# KiCad board Z3660_v021b.kicad_pcb
title: Z3660 by sHaNsHe (Double H Tech); date: 2024-02-09; rev: v0.21b; note: v0.21a Changed Array Networks; note: v0.21b Changed the 060 socket
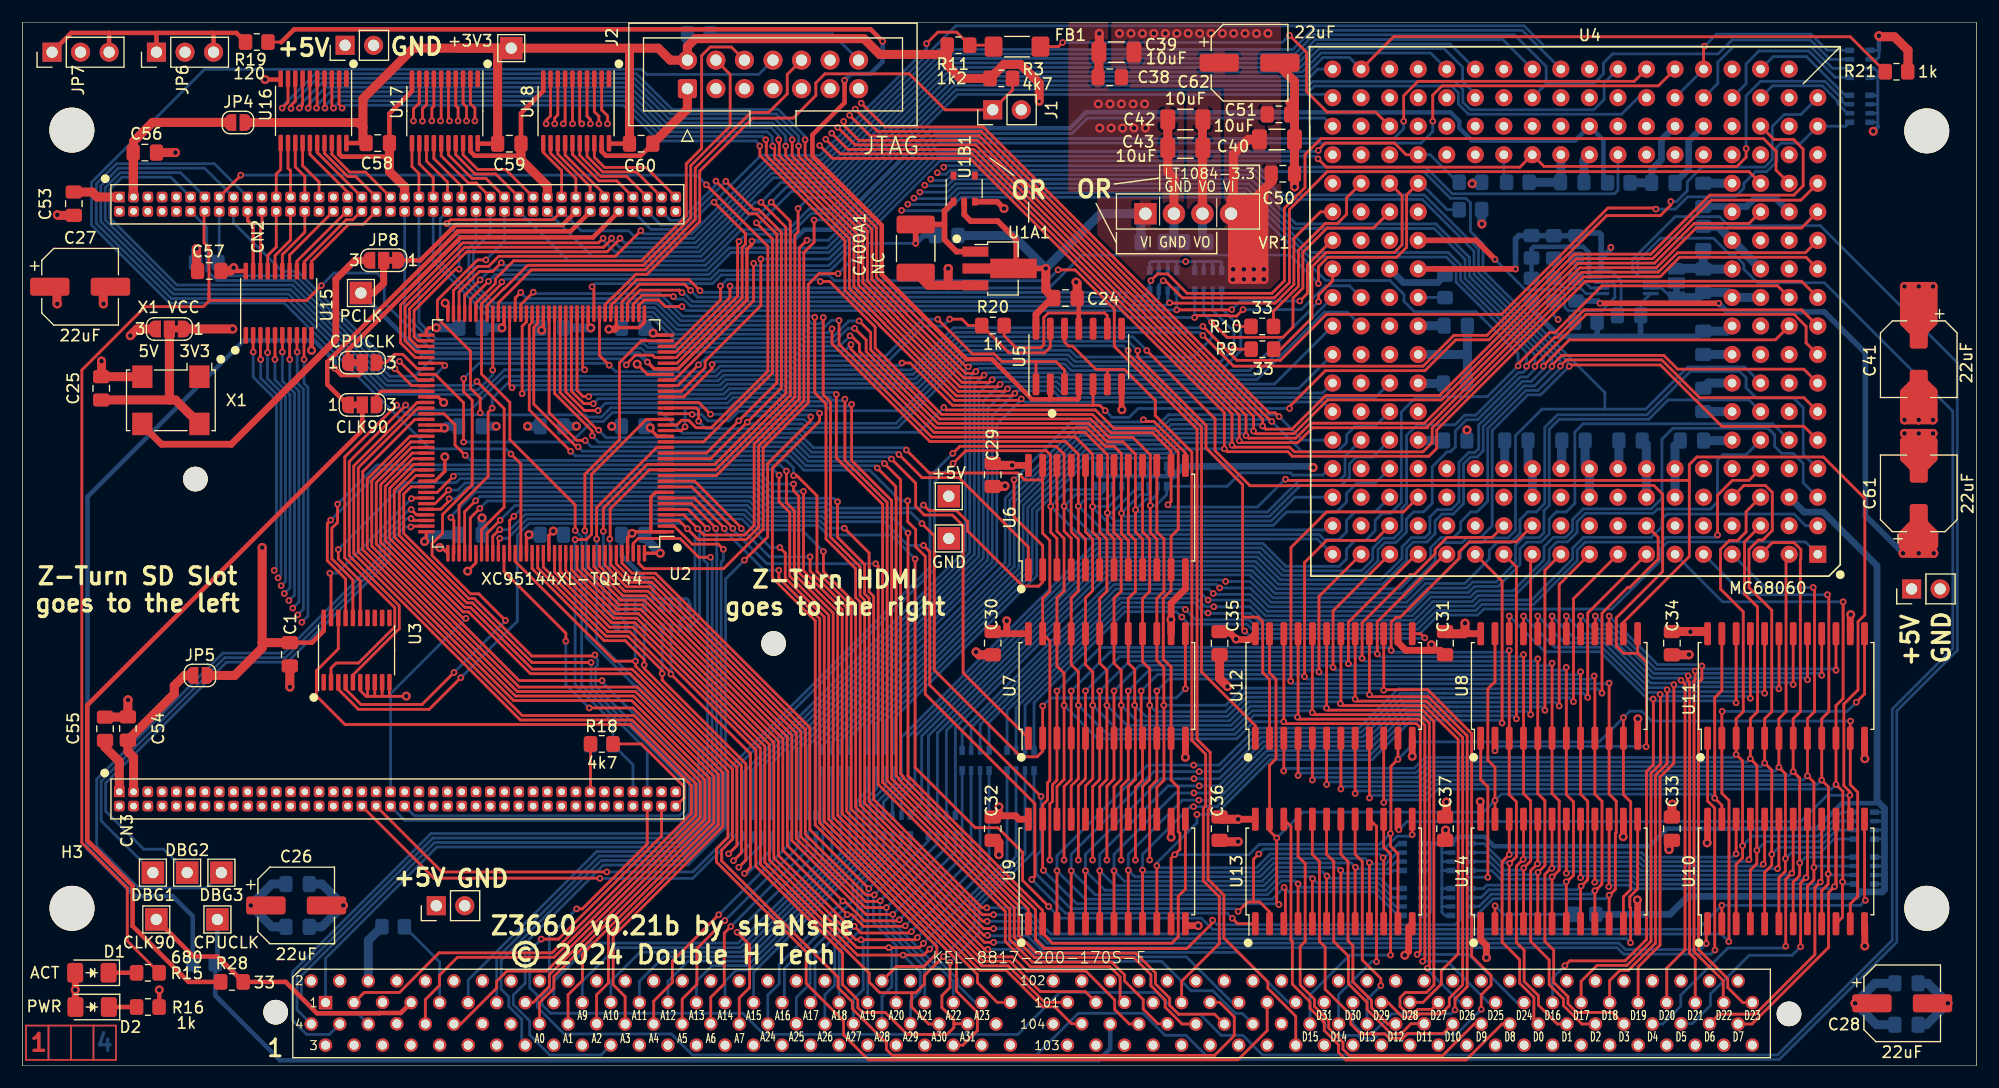
[diagram p0: board, top side]
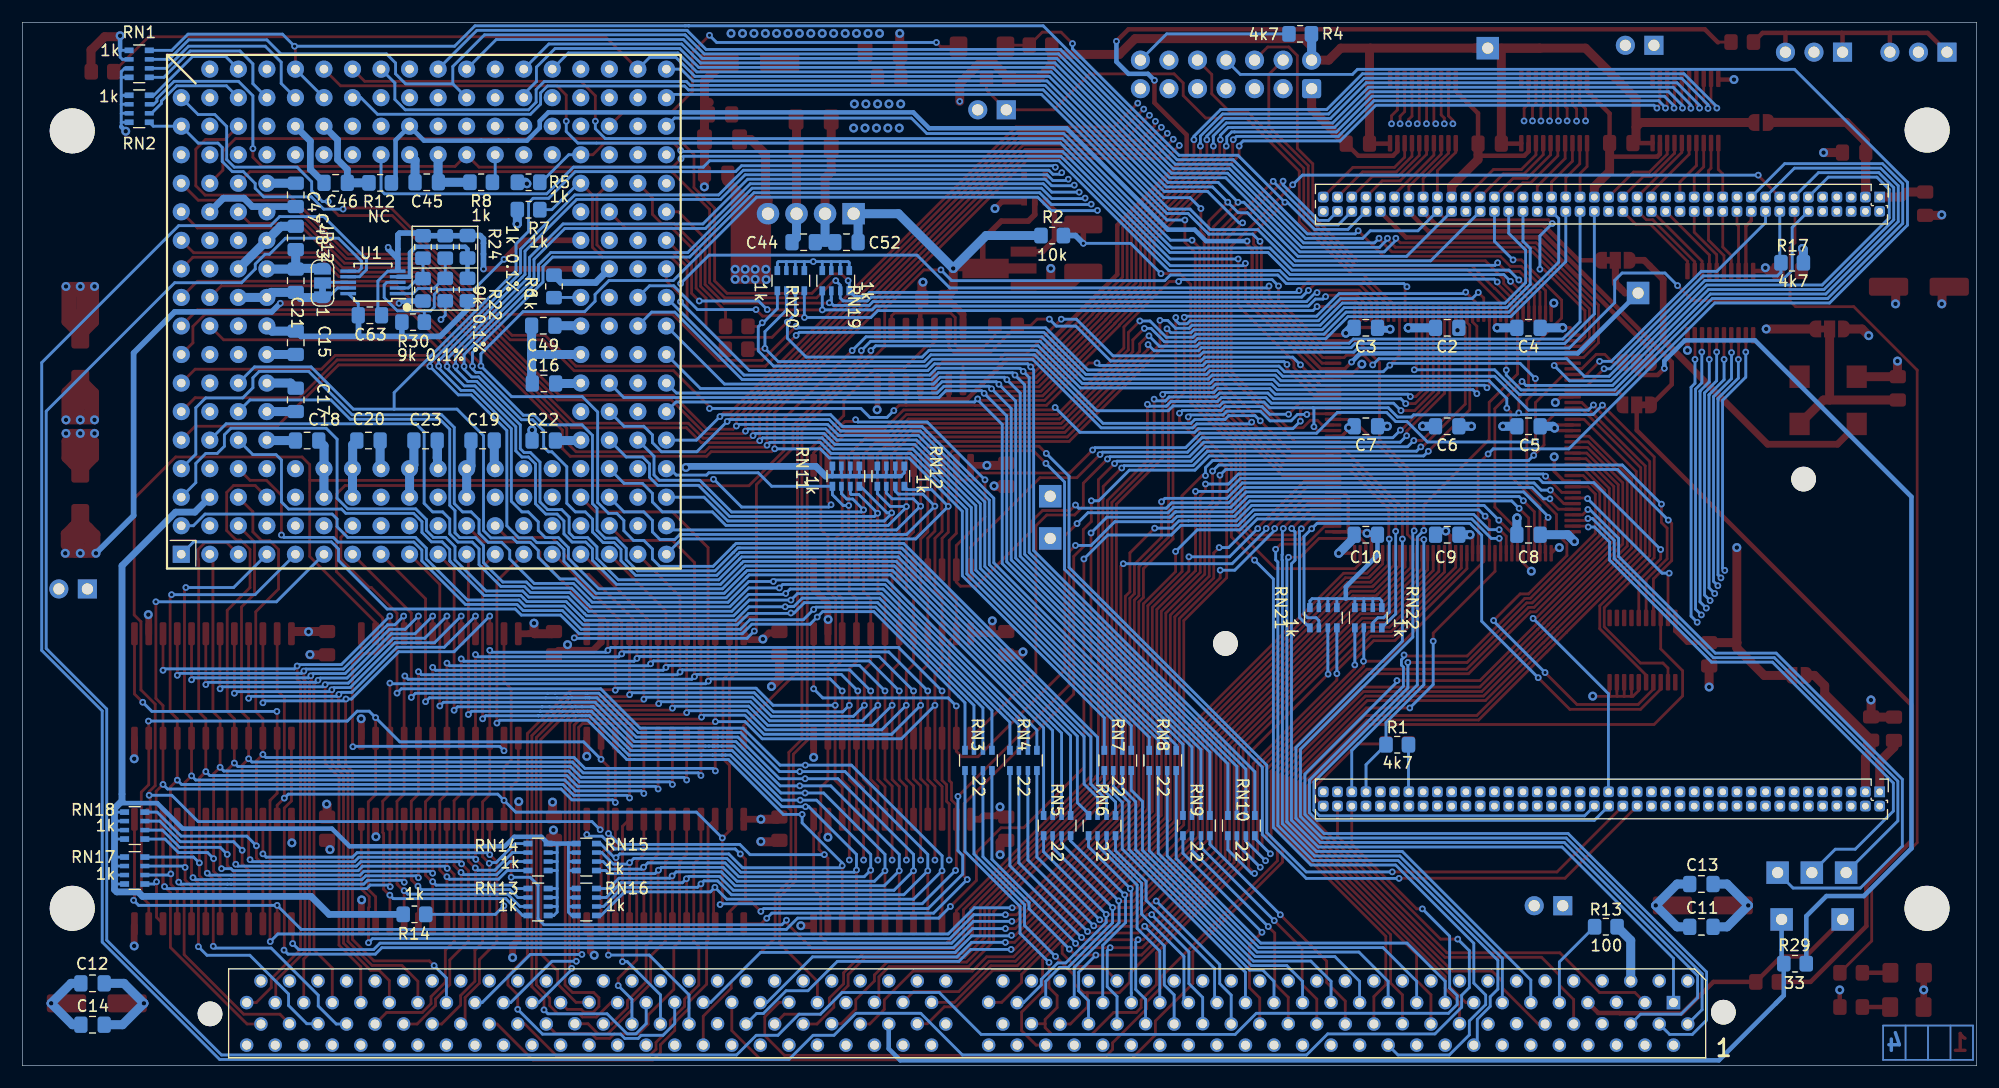
[diagram p1: board, bottom side, seen from below]

Outline 173.93 x 92.84 mm; copper layers: Top, In1.Cu, In2.Cu, Bottom. Coordinates in mm from the lower left corner of the outline.
Outline path: 0,92.84 173.93,92.84 173.93,0 0,0 0,92.84
Stack: Top 0.035mm / dielectric 0.48mm FR4 er 4.5 / In1.Cu 0.035mm / dielectric 0.48mm FR4 er 4.5 / In2.Cu 0.035mm / dielectric 0.48mm FR4 er 4.5 / Bottom 0.035mm

## Placement (name value [footprint] x y rotation side)
C1  100nF  [C_0805_2012Metric_Pad1.18x1.45mm_HandSolder]  23.79 36.6 270 top
C2  100nF  [C_0805_2012Metric_Pad1.18x1.45mm_HandSolder]  47.12 65.66 0 bottom
C3  100nF  [C_0805_2012Metric_Pad1.18x1.45mm_HandSolder]  54.36 65.66 0 bottom
C4  100nF  [C_0805_2012Metric_Pad1.18x1.45mm_HandSolder]  39.88 65.66 0 bottom
C5  100nF  [C_0805_2012Metric_Pad1.18x1.45mm_HandSolder]  39.88 56.9 180 bottom
C6  100nF  [C_0805_2012Metric_Pad1.18x1.45mm_HandSolder]  47.12 56.9 0 bottom
C7  100nF  [C_0805_2012Metric_Pad1.18x1.45mm_HandSolder]  54.36 56.9 0 bottom
C8  100nF  [C_0805_2012Metric_Pad1.18x1.45mm_HandSolder]  39.88 47.24 180 bottom
C9  100nF  [C_0805_2012Metric_Pad1.18x1.45mm_HandSolder]  47.12 47.24 180 bottom
C10  100nF  [C_0805_2012Metric_Pad1.18x1.45mm_HandSolder]  54.36 47.24 0 bottom
C11  100nF  [C_0805_2012Metric_Pad1.18x1.45mm_HandSolder]  24.49 12.34 0 bottom
C12  100nF  [C_0805_2012Metric_Pad1.18x1.45mm_HandSolder]  167.69 7.32 0 bottom
C13  100nF  [C_0805_2012Metric_Pad1.18x1.45mm_HandSolder]  24.49 16.15 0 bottom
C14  100nF  [C_0805_2012Metric_Pad1.18x1.45mm_HandSolder]  167.69 3.63 0 bottom
C15  100nF  [C_0805_2012Metric_Pad1.18x1.45mm_HandSolder]  149.61 64.33 270 bottom
C16  100nF  [C_0805_2012Metric_Pad1.18x1.45mm_HandSolder]  127.51 60.71 0 bottom
C17  100nF  [C_0805_2012Metric_Pad1.18x1.45mm_HandSolder]  149.61 59.25 270 bottom
C18  100nF  [C_0805_2012Metric_Pad1.18x1.45mm_HandSolder]  148.59 55.63 180 bottom
C19  100nF  [C_0805_2012Metric_Pad1.18x1.45mm_HandSolder]  132.97 55.63 0 bottom
C20  100nF  [C_0805_2012Metric_Pad1.18x1.45mm_HandSolder]  143.13 55.63 0 bottom
C21  100nF  [C_0805_2012Metric_Pad1.18x1.45mm_HandSolder]  149.61 69.85 270 bottom
C22  100nF  [C_0805_2012Metric_Pad1.18x1.45mm_HandSolder]  127.53 55.63 0 bottom
C23  100nF  [C_0805_2012Metric_Pad1.18x1.45mm_HandSolder]  138.05 55.63 0 bottom
C24  100nF  [C_0805_2012Metric_Pad1.18x1.45mm_HandSolder]  92.84 68.31 0 top
C25  100nF  [C_0805_2012Metric_Pad1.18x1.45mm_HandSolder]  7.01 60.27 90 top
C26  22uF  [CP_Elec_6.3x3.9]  24.36 14.25 0 top
C27  22uF  [CP_Elec_6.3x3.9]  5.13 69.32 0 top
C28  22uF  [CP_Elec_6.3x3.9]  167.31 5.54 0 top
C29  100nF  [C_0805_2012Metric_Pad1.18x1.45mm_HandSolder]  86.36 52.58 270 top
C30  100nF  [C_0805_2012Metric_Pad1.18x1.45mm_HandSolder]  86.36 37.59 270 top
C31  100nF  [C_0805_2012Metric_Pad1.18x1.45mm_HandSolder]  126.62 37.59 270 top
C32  100nF  [C_0805_2012Metric_Pad1.18x1.45mm_HandSolder]  86.36 21.08 270 top
C33  100nF  [C_0805_2012Metric_Pad1.18x1.45mm_HandSolder]  146.81 21.08 270 top
C34  100nF  [C_0805_2012Metric_Pad1.18x1.45mm_HandSolder]  146.81 37.59 270 top
C35  100nF  [C_0805_2012Metric_Pad1.18x1.45mm_HandSolder]  106.55 37.59 270 top
C36  100nF  [C_0805_2012Metric_Pad1.18x1.45mm_HandSolder]  106.55 21.08 270 top
C37  100nF  [C_0805_2012Metric_Pad1.18x1.45mm_HandSolder]  126.62 21.08 270 top
C38  100nF  [C_0805_2012Metric_Pad1.18x1.45mm_HandSolder]  96.77 87.96 180 top
C39  10uF  [C_1206_3216Metric_Pad1.33x1.80mm_HandSolder]  97.37 90.2 180 top
C40  10uF  [C_1206_3216Metric_Pad1.33x1.80mm_HandSolder]  111.66 82.42 0 top
C41  22uF  [CP_Elec_6.3x3.9]  168.78 62.87 270 top
C42  10uF  [C_1206_3216Metric_Pad1.33x1.80mm_HandSolder]  103.51 84.2 180 top
C43  10uF  [C_1206_3216Metric_Pad1.33x1.80mm_HandSolder]  103.51 81.66 180 top
C44  100nF  [C_0805_2012Metric_Pad1.18x1.45mm_HandSolder]  104.39 73.28 180 bottom
C45  100nF  [C_0805_2012Metric_Pad1.18x1.45mm_HandSolder]  137.94 78.61 0 bottom
C46  100nF  [C_0805_2012Metric_Pad1.18x1.45mm_HandSolder]  146.05 78.56 180 bottom
C47  100nF  [C_0805_2012Metric_Pad1.18x1.45mm_HandSolder]  149.61 77.49 270 bottom
C48  100nF  [C_0805_2012Metric_Pad1.18x1.45mm_HandSolder]  149.61 73.66 90 bottom
C49  100nF  [C_0805_2012Metric_Pad1.18x1.45mm_HandSolder]  127.57 65.85 0 bottom
C50  100nF  [C_0805_2012Metric_Pad1.18x1.45mm_HandSolder]  112.18 79.38 0 top
C51  100nF  [C_0805_2012Metric_Pad1.18x1.45mm_HandSolder]  111.84 84.66 0 top
C52  100nF  [C_0805_2012Metric_Pad1.18x1.45mm_HandSolder]  100.58 73.28 0 bottom
C53  100nF  [C_0805_2012Metric_Pad1.18x1.45mm_HandSolder]  4.57 76.71 270 top
C54  100nF  [C_0805_2012Metric_Pad1.18x1.45mm_HandSolder]  9.38 29.99 90 top
C55  100nF  [C_0805_2012Metric_Pad1.18x1.45mm_HandSolder]  7.35 29.97 90 top
C56  100nF  [C_0805_2012Metric_Pad1.18x1.45mm_HandSolder]  10.89 81.25 0 top
C57  100nF  [C_0805_2012Metric_Pad1.18x1.45mm_HandSolder]  16.63 70.72 180 top
C58  100nF  [C_0805_2012Metric_Pad1.18x1.45mm_HandSolder]  31.62 82.1 0 top
C59  100nF  [C_0805_2012Metric_Pad1.18x1.45mm_HandSolder]  43.33 82.05 0 top
C60  100nF  [C_0805_2012Metric_Pad1.18x1.45mm_HandSolder]  55.07 82.05 0 top
C61  22uF  [CP_Elec_6.3x3.9]  168.78 50.93 90 top
C62  22uF  [CP_Elec_6.3x3.9]  109.22 89.26 0 top
C63  100nF  [C_0805_2012Metric_Pad1.18x1.45mm_HandSolder]  143 66.78 180 bottom
C400A1  NC  [C_1812_4532Metric_Pad1.57x3.40mm_HandSolder]  79.5 72.72 270 top
CN1  KEL-8817-200-170S-F  [xIP-200]  89.84 6.55 0 bottom
CN2  Conn_02x40_Odd_Even  [PinHeader_2x40_P1.27mm_Vertical]  8.62 77.3 270 bottom
CN3  Conn_02x40_Odd_Even  [PinHeader_2x40_P1.27mm_Vertical]  8.62 24.36 270 bottom
D1  LED_Small_Green  [LED_1206_3216Metric_Pad1.42x1.75mm_HandSolder]  6.17 8.26 180 top
D2  LED_Small_Red  [LED_1206_3216Metric_Pad1.42x1.75mm_HandSolder]  6.2 5.21 180 top
DBG1  PCLK  [TestPoint_THTPad_2.0x2.0mm_Drill1.0mm]  11.61 17.17 180 top
DBG2  PCLK  [TestPoint_THTPad_2.0x2.0mm_Drill1.0mm]  14.66 17.17 0 top
DBG3  PCLK  [TestPoint_THTPad_2.0x2.0mm_Drill1.0mm]  17.71 17.17 180 top
FB1  Ferrite_Bead_Small  [Fuse_1806_4516Metric_Pad1.57x1.80mm_HandSolder]  88.52 90.69 0 top
H1  MountingHole  [MountingHole_4mm]  4.4 83.26 0 top
H2  MountingHole  [MountingHole_4mm]  169.5 83.19 0 top
H3  MountingHole  [MountingHole_4mm]  4.41 13.99 0 top
H4  MountingHole  [MountingHole_4mm]  169.5 13.99 0 top
H5  MountingHole  [MountingHole_2.2mm_M2]  22.53 4.75 0 top
H6  MountingHole  [MountingHole_2.2mm_M2]  157.23 4.6 0 top
H7  MountingHole  [MountingHole_2.2mm_M2]  66.85 37.57 0 top
H8  MountingHole  [MountingHole_2.2mm_M2]  15.39 52.2 0 top
J1  Jumper_2_Open  [PinHeader_1x02_P2.54mm_Vertical]  86.36 85.06 90 top
J2  Conn_02x07_Odd_Even  [IDC-Header_2x07_P2.54mm_Vertical]  59.18 86.94 90 top
JP1  Jumper_NO_Small  [PinHeader_1x02_P2.54mm_Vertical]  168.15 42.42 90 top
JP2  Jumper_NO_Small  [PinHeader_1x02_P2.54mm_Vertical]  28.72 90.81 90 top
JP3  Jumper_NO_Small  [PinHeader_1x02_P2.54mm_Vertical]  36.83 14.22 90 top
JP4  BRIDGE_3V3  [SolderJumper-2_P1.3mm_Open_RoundedPad1.0x1.5mm]  19.18 83.93 0 top
JP5  BRIDGE_3V3  [SolderJumper-2_P1.3mm_Open_RoundedPad1.0x1.5mm]  15.8 34.72 0 top
JP6  Jumper_3_Open  [PinHeader_1x03_P2.54mm_Vertical]  11.93 90.19 90 top
JP7  Jumper_3_Open  [PinHeader_1x03_P2.54mm_Vertical]  2.63 90.19 90 top
JP8  SolderJumper_3_Bridged12  [SolderJumper-3_P1.3mm_Bridged12_RoundedPad1.0x1.5mm_NumberLabels]  32.15 71.67 180 top
JP9  SolderJumper_3_Bridged12  [SolderJumper-3_P1.3mm_Bridged12_RoundedPad1.0x1.5mm_NumberLabels]  30.25 58.8 0 top
JP10  SolderJumper_3_Bridged12  [SolderJumper-3_P1.3mm_Bridged12_RoundedPad1.0x1.5mm_NumberLabels]  30.25 62.56 0 top
JP11  SolderJumper_3_Bridged12  [SolderJumper-3_P1.3mm_Bridged12_RoundedPad1.0x1.5mm_NumberLabels]  13.08 65.56 180 top
JP12  SolderJumper_3_Bridged12  [SolderJumper-3_P1.3mm_Bridged12_RoundedPad1.0x1.5mm_NumberLabels]  147.22 69.65 90 bottom
NT1  NetTie_2  [NetTie-2_SMD_Pad0.5mm]  140.51 73.13 270 bottom
NT2  NetTie_2  [NetTie-2_SMD_Pad0.5mm]  142.19 64.9 180 bottom
NT3  NetTie_2  [NetTie-2_SMD_Pad0.5mm]  132.89 72.71 270 bottom
R1  4k7  [R_0805_2012Metric_Pad1.20x1.40mm_HandSolder]  51.56 28.55 180 bottom
R2  10k  [R_0805_2012Metric_Pad1.20x1.40mm_HandSolder]  82.27 73.87 0 bottom
R3  4k7  [R_0805_2012Metric_Pad1.20x1.40mm_HandSolder]  87.12 87.86 180 top
R4  4k7  [R_0805_2012Metric_Pad1.20x1.40mm_HandSolder]  60.2 91.82 0 bottom
R5  1k  [R_0805_2012Metric_Pad1.20x1.40mm_HandSolder]  128.88 78.61 180 bottom
R6  1k  [R_0805_2012Metric_Pad1.20x1.40mm_HandSolder]  126.62 69.34 270 bottom
R7  1k  [R_0805_2012Metric_Pad1.20x1.40mm_HandSolder]  128.88 76.17 180 bottom
R8  1k  [R_0805_2012Metric_Pad1.20x1.40mm_HandSolder]  133.1 78.61 180 bottom
R9  33  [R_0805_2012Metric_Pad1.20x1.40mm_HandSolder]  110.36 63.75 180 top
R10  33  [R_0805_2012Metric_Pad1.20x1.40mm_HandSolder]  110.35 65.79 180 top
R11  1k2  [R_0805_2012Metric_Pad1.20x1.40mm_HandSolder]  83.31 90.81 180 top
R12  NC  [R_0805_2012Metric_Pad1.20x1.40mm_HandSolder]  142.09 78.56 0 bottom
R13  100  [R_0805_2012Metric_Pad1.20x1.40mm_HandSolder]  32.99 12.36 180 bottom
R14  1k  [R_0805_2012Metric_Pad1.20x1.40mm_HandSolder]  139.04 13.46 180 bottom
R15  680  [R_0805_2012Metric_Pad1.20x1.40mm_HandSolder]  11.16 8.26 180 top
R16  1k  [R_0805_2012Metric_Pad1.20x1.40mm_HandSolder]  11.16 5.21 180 top
R17  4k7  [R_0805_2012Metric_Pad1.20x1.40mm_HandSolder]  16.41 71.45 0 bottom
R18  4k7  [R_0805_2012Metric_Pad1.20x1.40mm_HandSolder]  51.56 28.63 0 top
R19  120  [R_0805_2012Metric_Pad1.20x1.40mm_HandSolder]  20.85 91.09 180 top
R20  1k  [R_0805_2012Metric_Pad1.20x1.40mm_HandSolder]  86.38 65.86 0 top
R21  1k  [R_0805_2012Metric_Pad1.20x1.40mm_HandSolder]  166.8 88.45 0 top
R22  9k 0.1%  [R_0805_2012Metric_Pad1.20x1.40mm_HandSolder]  134.32 69.06 270 bottom
R23  1k 0.1%  [R_0805_2012Metric_Pad1.20x1.40mm_HandSolder]  136.3 72.86 270 bottom
R24  1k 0.1%  [R_0805_2012Metric_Pad1.20x1.40mm_HandSolder]  134.32 72.87 270 bottom
R25  1k 0.1%  [R_0805_2012Metric_Pad1.20x1.40mm_HandSolder]  138.28 72.86 270 bottom
R26  9k 0.1%  [R_0805_2012Metric_Pad1.20x1.40mm_HandSolder]  138.28 69.05 270 bottom
R27  9k 0.1%  [R_0805_2012Metric_Pad1.20x1.40mm_HandSolder]  136.3 69.06 270 bottom
R28  33  [R_0805_2012Metric_Pad1.20x1.40mm_HandSolder]  18.64 7.44 0 top
R29  33  [R_0805_2012Metric_Pad1.20x1.40mm_HandSolder]  16.15 9.07 0 bottom
R30  9k 0.1%  [R_0805_2012Metric_Pad1.20x1.40mm_HandSolder]  139.16 66.17 0 bottom
RN1  1k  [R_Array_Convex_4x0603]  163.54 89.16 180 bottom
RN2  1k  [R_Array_Convex_4x0603]  163.54 85.16 180 bottom
RN3  22  [R_Array_Convex_4x0603]  88.84 27.16 90 bottom
RN4  22  [R_Array_Convex_4x0603]  84.84 27.16 90 bottom
RN5  22  [R_Array_Convex_4x0603]  81.84 21.36 90 bottom
RN6  22  [R_Array_Convex_4x0603]  77.84 21.36 90 bottom
RN7  22  [R_Array_Convex_4x0603]  76.44 27.16 90 bottom
RN8  22  [R_Array_Convex_4x0603]  72.44 27.16 90 bottom
RN9  22  [R_Array_Convex_4x0603]  69.44 21.36 90 bottom
RN10  22  [R_Array_Convex_4x0603]  65.44 21.36 90 bottom
RN11  1k  [R_Array_Convex_4x0603]  100.64 52.46 270 bottom
RN12  1k  [R_Array_Convex_4x0603]  96.64 52.46 270 bottom
RN13  1k  [R_Array_Convex_4x0603]  128.04 14.56 0 bottom
RN14  1k  [R_Array_Convex_4x0603]  128.04 18.56 0 bottom
RN15  1k  [R_Array_Convex_4x0603]  123.74 18.56 180 bottom
RN16  1k  [R_Array_Convex_4x0603]  123.74 14.56 180 bottom
RN17  1k  [R_Array_Convex_4x0603]  163.94 17.36 180 bottom
RN18  1k  [R_Array_Convex_4x0603]  163.94 21.36 180 bottom
RN19  1k  [R_Array_Convex_4x0603]  101.54 69.86 270 bottom
RN20  1k  [R_Array_Convex_4x0603]  105.54 69.86 270 bottom
RN21  1k  [R_Array_Convex_4x0603]  58.14 39.86 270 bottom
RN22  1k  [R_Array_Convex_4x0603]  54.14 39.86 270 bottom
TP1  +3V3  [TestPoint_THTPad_2.0x2.0mm_Drill1.0mm]  43.5 90.55 0 top
TP4  +5V  [TestPoint_THTPad_2.0x2.0mm_Drill1.0mm]  82.45 50.67 0 top
TP8  GND  [TestPoint_THTPad_2.0x2.0mm_Drill1.0mm]  82.45 46.91 180 top
TP9  PCLK  [TestPoint_THTPad_2.0x2.0mm_Drill1.0mm]  30.12 68.76 0 top
TP10  CLK90  [TestPoint_THTPad_2.0x2.0mm_Drill1.0mm]  11.91 13 0 top
TP11  CPUCLK  [TestPoint_THTPad_2.0x2.0mm_Drill1.0mm]  17.35 13 0 top
U1  LTC2990  [MSOP-10_3x3mm_P0.5mm]  142.73 69.71 0 bottom
U1A1  RH5VA43A  [SOT-89-3_Handsoldering]  86.97 70.94 0 top
U1B1  BU4942  [TSOP-5_1.65x3.05mm_P0.95mm]  83.82 78.05 90 top
U2  XC95144XL-TQ144  [TQFP-144_20x20mm_P0.5mm]  46.61 56.26 180 top
U3  SN74CB3T3245PW  [TSSOP-20_4.4x6.5mm_P0.65mm]  29.74 36.98 90 top
U4  MC68060  [PGA226]  139.47 83.6 180 bottom
U5  7407  [SOIC-14_3.9x8.7mm_P1.27mm]  94.02 63.1 90 top
U6  74FCT543A  [SOIC-24W_7.5x15.4mm_P1.27mm]  96.52 48.77 90 top
U7  74FCT543A  [SOIC-24W_7.5x15.4mm_P1.27mm]  96.52 33.78 90 top
U8  74FCT543A  [SOIC-24W_7.5x15.4mm_P1.27mm]  136.78 33.78 90 top
U9  74FCT543A  [SOIC-24W_7.5x15.4mm_P1.27mm]  96.52 17.27 90 top
U10  74FCT543A  [SOIC-24W_7.5x15.4mm_P1.27mm]  156.97 17.27 90 top
U11  74FCT543A  [SOIC-24W_7.5x15.4mm_P1.27mm]  156.97 33.78 90 top
U12  74FCT543A  [SOIC-24W_7.5x15.4mm_P1.27mm]  116.71 33.78 90 top
U13  74FCT543A  [SOIC-24W_7.5x15.4mm_P1.27mm]  116.71 17.27 90 top
U14  74FCT543A  [SOIC-24W_7.5x15.4mm_P1.27mm]  136.78 17.27 90 top
U15  SN74CB3T3245PW  [TSSOP-20_4.4x6.5mm_P0.65mm]  22.81 67.85 90 top
U16  SN74CB3T3245PW  [TSSOP-20_4.4x6.5mm_P0.65mm]  25.91 84.96 270 top
U17  SN74CB3T3245PW  [TSSOP-20_4.4x6.5mm_P0.65mm]  37.59 84.95 270 top
U18  SN74CB3T3245PW  [TSSOP-20_4.4x6.5mm_P0.65mm]  49.28 84.95 270 top
VR1  LT1084-3.3_EXTENDED  [Regulador_DCDC]  99.95 75.82 0 top
X1  IQXO-70  [Oscillator_SMD_IQD_IQXO70-4Pin_7.5x5.0mm]  13.21 59.21 180 top

## Library data of the parts
C1-C25 C29-C38 C44-C60 C63 C400A1 = -: Description: Unpolarized capacitor, small symbol
CN2 CN3 = -: Description: Generic connector, double row, 02x40, odd/even pin numbering scheme (row 1 odd numbers, row 2 even numbers), script generated (kicad-library-utils/schlib/autogen/connector/)
D1 D2 = -: Description: Light emitting diode, small symbol
DBG1-DBG3 TP1 TP4 TP8-TP11 = -: Description: test point
FB1 = -: Description: Ferrite bead, small symbol
H1-H8 = -: Description: Mounting Hole without connection
J1 = -: Description: Jumper, 2-pole, open
J2 = -: Description: Generic connector, double row, 02x07, odd/even pin numbering scheme (row 1 odd numbers, row 2 even numbers), script generated (kicad-library-utils/schlib/autogen/connector/)
JP4 JP5 = -: Description: Solder Jumper, 2-pole, open
JP6 JP7 = -: Description: Jumper, 3-pole, both open
JP8-JP12 = -: Description: 3-pole Solder Jumper, pins 1+2 closed/bridged
NT1-NT3 = -: Description: Net tie, 2 pins
R1-R30 = -: Description: Resistor, small symbol
RN1-RN22 = -: Description: 4 resistor network, parallel topology
U1 = -: Description: Temperature Voltage and Current Monitor, I2C Interface, MSOP-10
U2 = -: Description: CPLD, 144 Macrocells, 3200 Usable Gates
U3 U15-U18 = -: Description: Octal BUS Transceivers, 3-State outputs
VR1 = -: Description: 5.0A 20V LDO Linear Regulator, Fixed Output 3.3V, TO-220/TO-263
X1 = -: Description: Crystal Clock Oscillator, SMD package 7.5x5.0mm²

## Footprints (pads in the part's own frame, mm; a bottom-side part is the same pattern mirrored in y, then rotated)
C_0805_2012Metric_Pad1.18x1.45mm_HandSolder
  rrect 1.175x1.45 smd: 1(-1.038,0) 2(1.038,0)
C_1206_3216Metric_Pad1.33x1.80mm_HandSolder
  rrect 1.325x1.8 smd: 1(-1.562,0) 2(1.562,0)
C_1812_4532Metric_Pad1.57x3.40mm_HandSolder
  rrect 1.575x3.4 smd: 1(-2.138,0) 2(2.138,0)
CP_Elec_6.3x3.9
  rrect 3.5x1.6 smd: 1(-2.7,0) 2(2.7,0)
Fuse_1806_4516Metric_Pad1.57x1.80mm_HandSolder
  rrect 1.575x1.8 smd: 1(-2.087,0) 2(2.087,0)
IDC-Header_2x07_P2.54mm_Vertical
  rrect 1.7x1.7 hole 1: 1(0,0)
  round 1.7 hole 1: 2(2.54,0) 3(0,-2.54) 4(2.54,-2.54) 5(0,-5.08) 6(2.54,-5.08) 7(0,-7.62) 8(2.54,-7.62) 9(0,-10.16) 10(2.54,-10.16) 11(0,-12.7) 12(2.54,-12.7) 13(0,-15.24) 14(2.54,-15.24)
LED_1206_3216Metric_Pad1.42x1.75mm_HandSolder
  rrect 1.425x1.75 smd: 1(-1.488,0) 2(1.488,0)
MountingHole_2.2mm_M2
  round 2.2 hole 2.2 unplated: (0,0)
MountingHole_4mm
  round 4 hole 4 unplated: (0,0)
MSOP-10_3x3mm_P0.5mm
  rect 1.4x0.3 smd: 1(-2.2,1) 2(-2.2,0.5) 3(-2.2,0) 4(-2.2,-0.5) 5(-2.2,-1) 6(2.2,-1) 7(2.2,-0.5) 8(2.2,0) 9(2.2,0.5) 10(2.2,1)
NetTie-2_SMD_Pad0.5mm
  round 0.5 smd: 1(-0.5,0) 2(0.5,0)
Oscillator_SMD_IQD_IQXO70-4Pin_7.5x5.0mm
  rect 1.8x2 smd: 1(-2.54,-2.1) 2(2.54,-2.1) 3(2.54,2.1) 4(-2.54,2.1)
PGA226
  round 1.524 hole 0.762: 0(-12.7,-30.48) 0(-10.16,-30.48) 0(10.16,-30.48) 0(12.7,-30.48) 2(-17.78,-38.1) 3(-15.24,-38.1) 4(-12.7,-38.1) 5(-10.16,-38.1) 6(-7.62,-38.1) 7(-5.08,-38.1) 8(-2.54,-38.1) 9(0,-38.1) 10(2.54,-38.1) 11(5.08,-38.1) 12(7.62,-38.1) 13(10.16,-38.1) 14(12.7,-38.1) 15(15.24,-38.1) 16(17.78,-38.1) 17(20.32,-38.1) 18(22.86,-38.1) 19(-20.32,-35.56) 20(-17.78,-35.56) 20(-12.7,-15.24) 20(-12.7,-10.16) 20(-12.7,-7.62) 20(-7.62,-30.48) 20(-5.08,-30.48) 20(0,-30.48) 20(5.08,-30.48) 21(-15.24,-35.56) 22(-12.7,-35.56) 23(-10.16,-35.56) 24(-7.62,-35.56) 25(-5.08,-35.56) 26(-2.54,-35.56) 27(0,-35.56) 28(2.54,-35.56) 29(5.08,-35.56) 30(7.62,-35.56) 31(10.16,-35.56) 32(12.7,-35.56) 33(15.24,-35.56) 34(17.78,-35.56) 35(20.32,-35.56) 36(22.86,-35.56) 37(-20.32,-33.02) 38(-17.78,-33.02) 39(-15.24,-33.02) 40(-12.7,-33.02) 41(-10.16,-33.02) 42(-7.62,-33.02) 43(-5.08,-33.02) 44(-2.54,-33.02) 45(0,-33.02) 46(2.54,-33.02) 47(5.08,-33.02) 48(7.62,-33.02) 49(10.16,-33.02) 50(12.7,-33.02) 51(15.24,-33.02) 52(17.78,-33.02) 53(20.32,-33.02) 54(22.86,-33.02) 55(-20.32,-30.48) 56(-17.78,-30.48) 57(-15.24,-30.48) 58(17.78,-30.48) 59(20.32,-30.48) 60(22.86,-30.48) 61(-20.32,-27.94) 62(-17.78,-27.94) 63(-15.24,-27.94) 64(17.78,-27.94) 65(20.32,-27.94) 66(22.86,-27.94) 67(-20.32,-25.4) 68(-17.78,-25.4) 69(-15.24,-25.4) 70(17.78,-25.4) 71(20.32,-25.4) 72(22.86,-25.4) 73(-20.32,-22.86) 74(-17.78,-22.86) 75(-15.24,-22.86) 76(17.78,-22.86) 77(20.32,-22.86) 78(22.86,-22.86) 79(-20.32,-20.32) 80(-17.78,-20.32) 81(-15.24,-20.32) 82(17.78,-20.32) 83(20.32,-20.32) 84(22.86,-20.32) 85(-20.32,-17.78) 86(-17.78,-17.78) 87(-15.24,-17.78) 88(17.78,-17.78) 89(20.32,-17.78) 90(22.86,-17.78) 91(-20.32,-15.24) 92(-17.78,-15.24) 93(-15.24,-15.24) 94(17.78,-15.24) 95(20.32,-15.24) 96(22.86,-15.24) 97(-20.32,-12.7) 98(-17.78,-12.7) 99(-15.24,-12.7) 100(17.78,-12.7) 101(20.32,-12.7) 102(22.86,-12.7) 103(-20.32,-10.16) 104(-17.78,-10.16) 105(-15.24,-10.16) 106(17.78,-10.16) 107(20.32,-10.16) 108(22.86,-10.16) 109(-20.32,-7.62) 110(-17.78,-7.62) 111(-15.24,-7.62) 112(17.78,-7.62) 113(20.32,-7.62) 114(22.86,-7.62) 115(-20.32,-5.08) 116(-17.78,-5.08) 117(-15.24,-5.08) 118(17.78,-5.08) 119(20.32,-5.08) 120(22.86,-5.08) 121(-20.32,-2.54) 122(-17.78,-2.54) 123(-15.24,-2.54) 124(17.78,-2.54) 125(20.32,-2.54) 126(22.86,-2.54) 127(-20.32,0) 128(-17.78,0) 129(-15.24,0) 130(-12.7,0) 131(-10.16,0) 132(-7.62,0) 133(-5.08,0) 134(-2.54,0) 135(0,0) 136(2.54,0) 137(5.08,0) 138(7.62,0) 139(10.16,0) 140(12.7,0) 141(15.24,0) 142(17.78,0) 143(20.32,0) 144(22.86,0) 145(-20.32,2.54) 146(-17.78,2.54) 147(-15.24,2.54) 148(-12.7,2.54) 149(-10.16,2.54) 150(-7.62,2.54) 151(-5.08,2.54) 152(-2.54,2.54) 153(0,2.54) 154(2.54,2.54) 155(5.08,2.54) 156(7.62,2.54) 157(10.16,2.54) 158(12.7,2.54) 159(15.24,2.54) 160(17.78,2.54) 161(20.32,2.54) 162(22.86,2.54) 163(-17.78,5.08) 164(-15.24,5.08) 165(-12.7,5.08) 166(-10.16,5.08) 167(-7.62,5.08) 168(-5.08,5.08) 169(-2.54,5.08) 170(0,5.08) 171(2.54,5.08) 172(5.08,5.08) 173(7.62,5.08) 174(10.16,5.08) 175(12.7,5.08) 176(15.24,5.08) 177(17.78,5.08) 178(20.32,5.08) 179(22.86,5.08) 180(-2.54,-30.48) 181(2.54,-30.48) 182(7.62,-30.48) 183(15.24,-30.48) 184(-12.7,-27.94) 185(15.24,-27.94) 186(-12.7,-25.4) 187(15.24,-25.4) 188(-12.7,-22.86) 189(15.24,-22.86) 190(-12.7,-20.32) 191(15.24,-20.32) 192(-12.7,-17.78) 193(15.24,-17.78) 194(15.24,-15.24) 195(-12.7,-12.7) 196(15.24,-12.7) 197(15.24,-10.16) 198(15.24,-7.62) 199(-12.7,-5.08) 200(15.24,-5.08) 201(-12.7,-2.54) 202(-10.16,-2.54) 203(-7.62,-2.54) 204(-5.08,-2.54) 205(-2.54,-2.54) 206(0,-2.54) 207(2.54,-2.54) 208(5.08,-2.54) 209(7.62,-2.54) 210(10.16,-2.54) 211(12.7,-2.54) 212(15.24,-2.54)
  rect 1.524x1.524 hole 0.762: 1(-20.32,-38.1)
PinHeader_1x02_P2.54mm_Vertical
  rect 1.7x1.7 hole 1: 1(0,0)
  oval 1.7x1.7 hole 1: 2(0,-2.54)
PinHeader_1x03_P2.54mm_Vertical
  rect 1.7x1.7 hole 1: 1(0,0)
  oval 1.7x1.7 hole 1: 2(0,-2.54) 3(0,-5.08)
PinHeader_2x40_P1.27mm_Vertical
  rect 0.95x0.95 hole 0.6: 1(0,0)
  rrect 0.95x0.95 hole 0.6: 2(1.27,0) 3(0,-1.27) 4(1.27,-1.27) 5(0,-2.54) 6(1.27,-2.54) 7(0,-3.81) 8(1.27,-3.81) 9(0,-5.08) 10(1.27,-5.08) 11(0,-6.35) 12(1.27,-6.35) 13(0,-7.62) 14(1.27,-7.62) 15(0,-8.89) 16(1.27,-8.89) 17(0,-10.16) 18(1.27,-10.16) 19(0,-11.43) 20(1.27,-11.43) 21(0,-12.7) 22(1.27,-12.7) 23(0,-13.97) 24(1.27,-13.97) 25(0,-15.24) 26(1.27,-15.24) 27(0,-16.51) 28(1.27,-16.51) 29(0,-17.78) 30(1.27,-17.78) 31(0,-19.05) 32(1.27,-19.05) 33(0,-20.32) 34(1.27,-20.32) 35(0,-21.59) 36(1.27,-21.59) 37(0,-22.86) 38(1.27,-22.86) 39(0,-24.13) 40(1.27,-24.13) 41(0,-25.4) 42(1.27,-25.4) 43(0,-26.67) 44(1.27,-26.67) 45(0,-27.94) 46(1.27,-27.94) 47(0,-29.21) 48(1.27,-29.21) 49(0,-30.48) 50(1.27,-30.48) 51(0,-31.75) 52(1.27,-31.75) 53(0,-33.02) 54(1.27,-33.02) 55(0,-34.29) 56(1.27,-34.29) 57(0,-35.56) 58(1.27,-35.56) 59(0,-36.83) 60(1.27,-36.83) 61(0,-38.1) 62(1.27,-38.1) 63(0,-39.37) 64(1.27,-39.37) 65(0,-40.64) 66(1.27,-40.64) 67(0,-41.91) 68(1.27,-41.91) 69(0,-43.18) 70(1.27,-43.18) 71(0,-44.45) 72(1.27,-44.45) 73(0,-45.72) 74(1.27,-45.72) 75(0,-46.99) 76(1.27,-46.99) 77(0,-48.26) 78(1.27,-48.26) 79(0,-49.53) 80(1.27,-49.53)
R_0805_2012Metric_Pad1.20x1.40mm_HandSolder
  rrect 1.2x1.4 smd: 1(-1,0) 2(1,0)
R_Array_Convex_4x0603
  rect 0.8x0.5 smd: 1(-0.9,1.2) 4(-0.9,-1.2) 5(0.9,-1.2) 8(0.9,1.2)
  rect 0.8x0.4 smd: 2(-0.9,0.4) 3(-0.9,-0.4) 6(0.9,-0.4) 7(0.9,0.4)
Regulador_DCDC
  rect 2x1.905 hole 1.1: 1(0,0)
  oval 2x1.905 hole 1.1: 2(2.54,0) 3(5.08,0) 4(7.62,0)
SOIC-14_3.9x8.7mm_P1.27mm
  rrect 1.95x0.6 smd: 1(-2.475,3.81) 2(-2.475,2.54) 3(-2.475,1.27) 4(-2.475,0) 5(-2.475,-1.27) 6(-2.475,-2.54) 7(-2.475,-3.81) 8(2.475,-3.81) 9(2.475,-2.54) 10(2.475,-1.27) 11(2.475,0) 12(2.475,1.27) 13(2.475,2.54) 14(2.475,3.81)